# KiCad board Keyboard.kicad_pcb
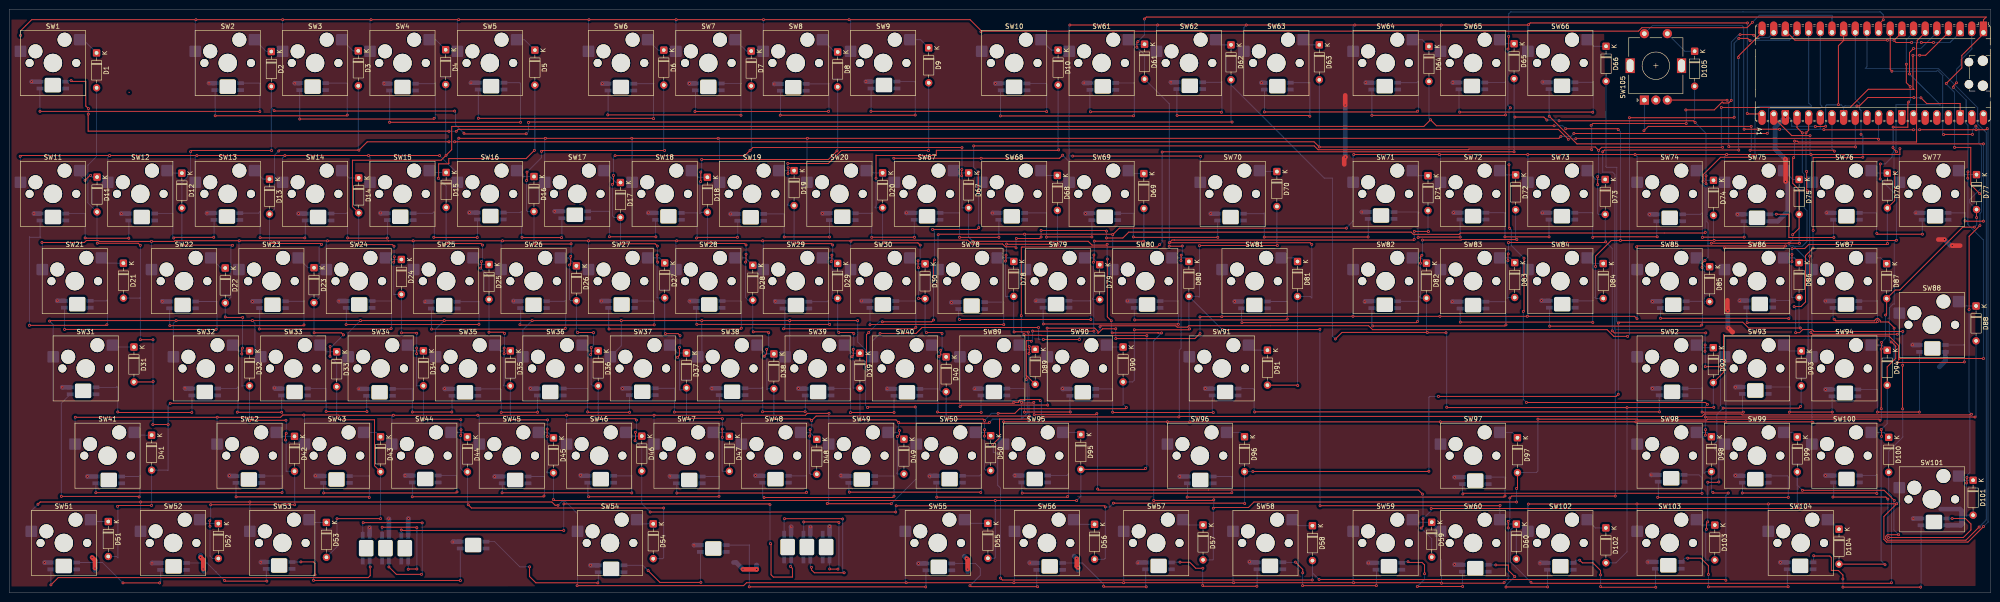
[diagram p0: board, top side]
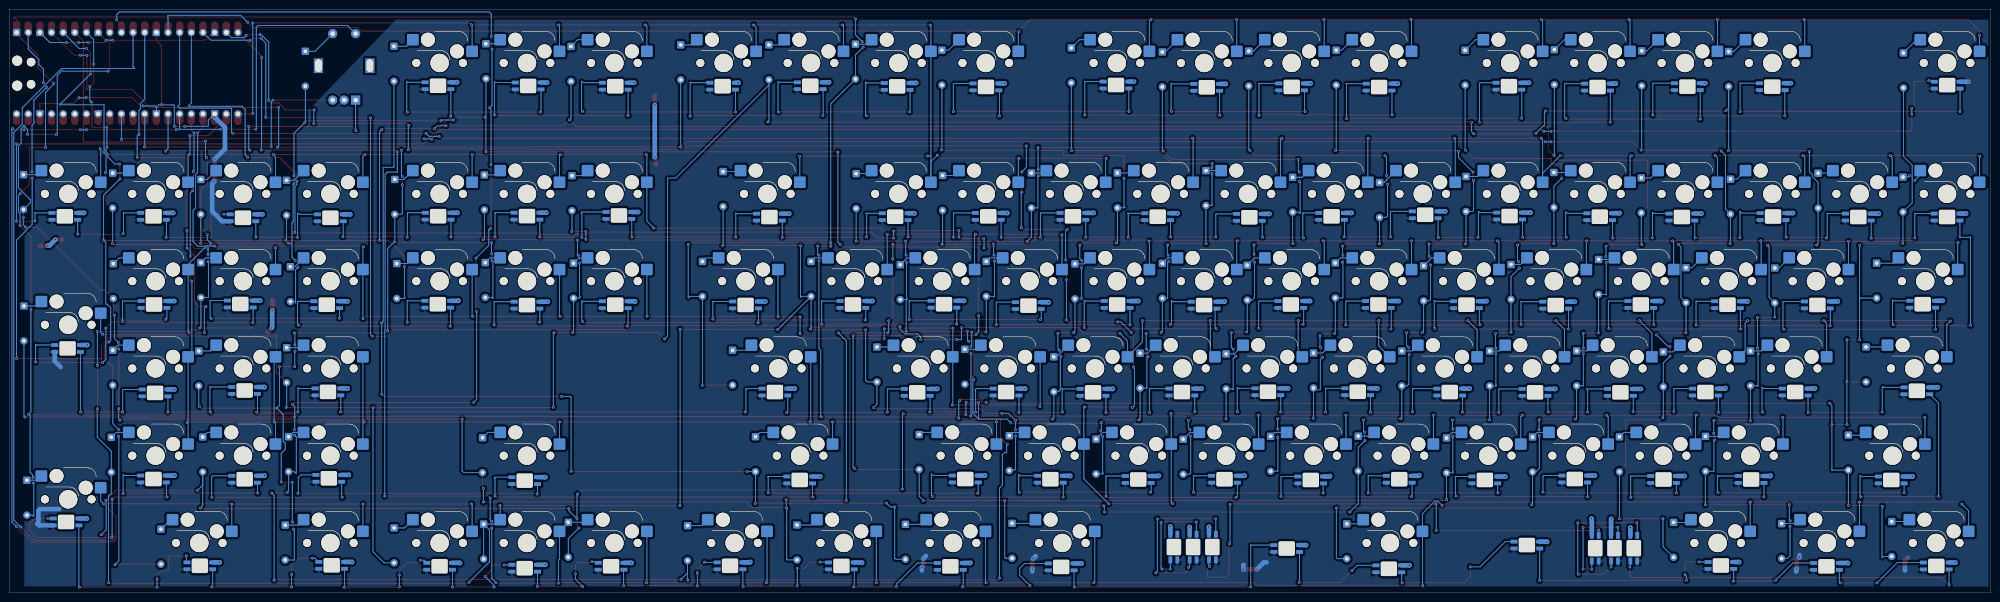
[diagram p1: board, bottom side, seen from below]

Outline 431.98 x 127.41 mm; copper layers: Top, Bottom. Coordinates in mm from the lower left corner of the outline.
Outline path: rectangle 0,127.41 431.98,0

## Placement (name value [footprint] x y rotation side)
A1  RaspberryPi_Pico  [RaspberryPi_Pico_Common_Unspecified]  406.24 113.44 270 top
D1  1N4148  [D_DO-35_SOD27_P7.62mm_Horizontal]  19.05 117.86 270 top
D2  1N4148  [D_DO-35_SOD27_P7.62mm_Horizontal]  57.15 118.16 270 top
D3  1N4148  [D_DO-35_SOD27_P7.62mm_Horizontal]  76.1 118.31 270 top
D4  1N4148  [D_DO-35_SOD27_P7.62mm_Horizontal]  95.15 118.56 270 top
D5  1N4148  [D_DO-35_SOD27_P7.62mm_Horizontal]  114.6 118.46 270 top
D6  1N4148  [D_DO-35_SOD27_P7.62mm_Horizontal]  142.7 118.46 270 top
D7  1N4148  [D_DO-35_SOD27_P7.62mm_Horizontal]  161.75 118.27 270 top
D8  1N4148  [D_DO-35_SOD27_P7.62mm_Horizontal]  180.6 118.07 270 top
D9  1N4148  [D_DO-35_SOD27_P7.62mm_Horizontal]  200.45 118.96 270 top
D10  1N4148  [D_DO-35_SOD27_P7.62mm_Horizontal]  228.65 118.47 270 top
D11  1N4148  [D_DO-35_SOD27_P7.62mm_Horizontal]  19.15 90.76 270 top
D12  1N4148  [D_DO-35_SOD27_P7.62mm_Horizontal]  37.65 91.62 270 top
D13  1N4148  [D_DO-35_SOD27_P7.62mm_Horizontal]  56.75 90.31 270 top
D14  1N4148  [D_DO-35_SOD27_P7.62mm_Horizontal]  76.2 90.57 270 top
D15  1N4148  [D_DO-35_SOD27_P7.62mm_Horizontal]  95.25 91.76 270 top
D16  1N4148  [D_DO-35_SOD27_P7.62mm_Horizontal]  114.4 90.87 270 top
D17  1N4148  [D_DO-35_SOD27_P7.62mm_Horizontal]  133.25 89.57 270 top
D18  1N4148  [D_DO-35_SOD27_P7.62mm_Horizontal]  152.2 90.71 270 top
D19  1N4148  [D_DO-35_SOD27_P7.62mm_Horizontal]  171.1 92.17 270 top
D20  1N4148  [D_DO-35_SOD27_P7.62mm_Horizontal]  190.4 91.67 270 top
D21  1N4148  [D_DO-35_SOD27_P7.62mm_Horizontal]  24.9 71.96 270 top
D22  1N4148  [D_DO-35_SOD27_P7.62mm_Horizontal]  47.1 70.91 270 top
D23  1N4148  [D_DO-35_SOD27_P7.62mm_Horizontal]  66.45 70.97 270 top
D24  1N4148  [D_DO-35_SOD27_P7.62mm_Horizontal]  85.5 72.77 270 top
D25  1N4148  [D_DO-35_SOD27_P7.62mm_Horizontal]  104.6 71.67 270 top
D26  1N4148  [D_DO-35_SOD27_P7.62mm_Horizontal]  123.65 71.37 270 top
D27  1N4148  [D_DO-35_SOD27_P7.62mm_Horizontal]  142.9 72.01 270 top
D28  1N4148  [D_DO-35_SOD27_P7.62mm_Horizontal]  162.1 71.51 270 top
D29  1N4148  [D_DO-35_SOD27_P7.62mm_Horizontal]  180.6 71.91 270 top
D30  1N4148  [D_DO-35_SOD27_P7.62mm_Horizontal]  199.65 71.81 270 top
D31  1N4148  [D_DO-35_SOD27_P7.62mm_Horizontal]  27.2 53.66 270 top
D32  1N4148  [D_DO-35_SOD27_P7.62mm_Horizontal]  52.4 52.81 270 top
D33  1N4148  [D_DO-35_SOD27_P7.62mm_Horizontal]  71.4 52.61 270 top
D34  1N4148  [D_DO-35_SOD27_P7.62mm_Horizontal]  90.3 52.82 270 top
D35  1N4148  [D_DO-35_SOD27_P7.62mm_Horizontal]  109.25 52.8 270 top
D36  1N4148  [D_DO-35_SOD27_P7.62mm_Horizontal]  128.4 52.8 270 top
D37  1N4148  [D_DO-35_SOD27_P7.62mm_Horizontal]  147.65 52.36 270 top
D38  1N4148  [D_DO-35_SOD27_P7.62mm_Horizontal]  166.7 52.16 270 top
D39  1N4148  [D_DO-35_SOD27_P7.62mm_Horizontal]  185.45 52.31 270 top
D40  1N4148  [D_DO-35_SOD27_P7.62mm_Horizontal]  204.25 51.51 270 top
D41  1N4148  [D_DO-35_SOD27_P7.62mm_Horizontal]  31.05 34.41 270 top
D42  1N4148  [D_DO-35_SOD27_P7.62mm_Horizontal]  62.2 34.16 270 top
D43  1N4148  [D_DO-35_SOD27_P7.62mm_Horizontal]  80.95 34.06 270 top
D44  1N4148  [D_DO-35_SOD27_P7.62mm_Horizontal]  99.9 34.02 270 top
D45  1N4148  [D_DO-35_SOD27_P7.62mm_Horizontal]  118.65 33.82 270 top
D46  1N4148  [D_DO-35_SOD27_P7.62mm_Horizontal]  137.9 34.21 270 top
D47  1N4148  [D_DO-35_SOD27_P7.62mm_Horizontal]  157 34.17 270 top
D48  1N4148  [D_DO-35_SOD27_P7.62mm_Horizontal]  176.05 33.51 270 top
D49  1N4148  [D_DO-35_SOD27_P7.62mm_Horizontal]  195.05 33.57 270 top
D50  1N4148  [D_DO-35_SOD27_P7.62mm_Horizontal]  213.95 34.31 270 top
D51  1N4148  [D_DO-35_SOD27_P7.62mm_Horizontal]  21.6 15.56 270 top
D52  1N4148  [D_DO-35_SOD27_P7.62mm_Horizontal]  45.6 15.12 270 top
D53  1N4148  [D_DO-35_SOD27_P7.62mm_Horizontal]  69.15 15.37 270 top
D54  1N4148  [D_DO-35_SOD27_P7.62mm_Horizontal]  140.4 15.07 270 top
D55  1N4148  [D_DO-35_SOD27_P7.62mm_Horizontal]  213.35 15.17 270 top
D56  1N4148  [D_DO-35_SOD27_P7.62mm_Horizontal]  236.6 14.95 270 top
D57  1N4148  [D_DO-35_SOD27_P7.62mm_Horizontal]  260.25 14.81 270 top
D58  1N4148  [D_DO-35_SOD27_P7.62mm_Horizontal]  284.1 14.66 270 top
D59  1N4148  [D_DO-35_SOD27_P7.62mm_Horizontal]  310.1 15.41 270 top
D60  1N4148  [D_DO-35_SOD27_P7.62mm_Horizontal]  328.55 15.01 270 top
D61  1N4148  [D_DO-35_SOD27_P7.62mm_Horizontal]  247.5 119.76 270 top
D62  1N4148  [D_DO-35_SOD27_P7.62mm_Horizontal]  266.35 119.62 270 top
D63  1N4148  [D_DO-35_SOD27_P7.62mm_Horizontal]  285.6 119.62 270 top
D64  1N4148  [D_DO-35_SOD27_P7.62mm_Horizontal]  309.5 119.27 270 top
D65  1N4148  [D_DO-35_SOD27_P7.62mm_Horizontal]  328.05 119.86 270 top
D66  1N4148  [D_DO-35_SOD27_P7.62mm_Horizontal]  348.1 119.31 270 top
D67  1N4148  [D_DO-35_SOD27_P7.62mm_Horizontal]  209.15 91.66 270 top
D68  1N4148  [D_DO-35_SOD27_P7.62mm_Horizontal]  228.5 91.11 270 top
D69  1N4148  [D_DO-35_SOD27_P7.62mm_Horizontal]  247.35 91.52 270 top
D70  1N4148  [D_DO-35_SOD27_P7.62mm_Horizontal]  276.35 91.96 270 top
D71  1N4148  [D_DO-35_SOD27_P7.62mm_Horizontal]  309.29 91.06 270 top
D72  1N4148  [D_DO-35_SOD27_P7.62mm_Horizontal]  328.39 91.23 270 top
D73  1N4148  [D_DO-35_SOD27_P7.62mm_Horizontal]  347.92 90.24 270 top
D74  1N4148  [D_DO-35_SOD27_P7.62mm_Horizontal]  371.52 90.04 270 top
D75  1N4148  [D_DO-35_SOD27_P7.62mm_Horizontal]  390.19 90.24 270 top
D76  1N4148  [D_DO-35_SOD27_P7.62mm_Horizontal]  409.42 91.63 270 top
D77  1N4148  [D_DO-35_SOD27_P7.62mm_Horizontal]  428.86 91.29 270 top
D78  1N4148  [D_DO-35_SOD27_P7.62mm_Horizontal]  218.99 72.34 270 top
D79  1N4148  [D_DO-35_SOD27_P7.62mm_Horizontal]  237.73 71.64 270 top
D80  1N4148  [D_DO-35_SOD27_P7.62mm_Horizontal]  257.17 72.34 270 top
D81  1N4148  [D_DO-35_SOD27_P7.62mm_Horizontal]  280.85 72.33 270 top
D82  1N4148  [D_DO-35_SOD27_P7.62mm_Horizontal]  308.96 71.95 270 top
D83  1N4148  [D_DO-35_SOD27_P7.62mm_Horizontal]  328.19 72.09 270 top
D84  1N4148  [D_DO-35_SOD27_P7.62mm_Horizontal]  347.49 71.88 270 top
D85  1N4148  [D_DO-35_SOD27_P7.62mm_Horizontal]  370.68 71.19 270 top
D86  1N4148  [D_DO-35_SOD27_P7.62mm_Horizontal]  390.18 72.09 270 top
D87  1N4148  [D_DO-35_SOD27_P7.62mm_Horizontal]  409.27 71.85 270 top
D88  1N4148  [D_DO-35_SOD27_P7.62mm_Horizontal]  428.76 62.62 270 top
D89  1N4148  [D_DO-35_SOD27_P7.62mm_Horizontal]  223.66 53.15 270 top
D90  1N4148  [D_DO-35_SOD27_P7.62mm_Horizontal]  242.82 53.66 270 top
D91  1N4148  [D_DO-35_SOD27_P7.62mm_Horizontal]  274.29 52.96 270 top
D92  1N4148  [D_DO-35_SOD27_P7.62mm_Horizontal]  371.48 53.52 270 top
D93  1N4148  [D_DO-35_SOD27_P7.62mm_Horizontal]  390.64 52.8 270 top
D94  1N4148  [D_DO-35_SOD27_P7.62mm_Horizontal]  409.39 52.95 270 top
D95  1N4148  [D_DO-35_SOD27_P7.62mm_Horizontal]  233.61 34.56 270 top
D96  1N4148  [D_DO-35_SOD27_P7.62mm_Horizontal]  269.29 34.08 270 top
D97  1N4148  [D_DO-35_SOD27_P7.62mm_Horizontal]  328.79 33.86 270 top
D98  1N4148  [D_DO-35_SOD27_P7.62mm_Horizontal]  371.07 34.07 270 top
D99  1N4148  [D_DO-35_SOD27_P7.62mm_Horizontal]  389.79 34.02 270 top
D100  1N4148  [D_DO-35_SOD27_P7.62mm_Horizontal]  409.72 33.95 270 top
D101  1N4148  [D_DO-35_SOD27_P7.62mm_Horizontal]  428.11 24.58 270 top
D102  1N4148  [D_DO-35_SOD27_P7.62mm_Horizontal]  348.07 14.17 270 top
D103  1N4148  [D_DO-35_SOD27_P7.62mm_Horizontal]  371.81 14.79 270 top
D104  1N4148  [D_DO-35_SOD27_P7.62mm_Horizontal]  398.89 13.89 270 top
D105  1N4148  [D_DO-35_SOD27_P7.62mm_Horizontal]  367.41 118.22 270 top
L1  WS2812B  [BAcklight]  9.51 110.83 180 bottom
L2  WS2812B  [BAcklight]  47.64 110.5 180 bottom
L3  WS2812B  [BAcklight]  66.14 110.5 180 bottom
L4  WS2812B  [BAcklight]  85.74 110.4 180 bottom
L5  WS2812B  [BAcklight]  105.05 110.6 180 bottom
L6  WS2812B  [BAcklight]  133.35 110.4 180 bottom
L7  WS2812B  [BAcklight]  152.41 110.45 180 bottom
L8  WS2812B  [BAcklight]  170.92 110.35 180 bottom
L9  WS2812B  [BAcklight]  190.7 110.85 180 bottom
L10  WS2812B  [BAcklight]  219.05 110.45 180 bottom
L11  WS2812B  [BAcklight]  238.4 110.55 180 bottom
L12  WS2812B  [BAcklight]  257.35 110.7 180 bottom
L13  WS2812B  [BAcklight]  276.45 110.6 180 bottom
L14  WS2812B  [BAcklight]  299.85 110.6 180 bottom
L15  WS2812B  [BAcklight]  318.85 110.65 180 bottom
L16  WS2812B  [BAcklight]  338.5 110.7 180 bottom
L17  WS2812B  [BAcklight]  419.84 82.19 180 bottom
L18  WS2812B  [BAcklight]  400.51 82.19 180 bottom
L19  WS2812B  [BAcklight]  381.01 81.87 180 bottom
L20  WS2812B  [BAcklight]  361.96 81.87 180 bottom
L21  WS2812B  [BAcklight]  338.47 82.22 180 bottom
L22  WS2812B  [BAcklight]  319.1 82.23 180 bottom
L23  WS2812B  [BAcklight]  299.06 82.38 180 bottom
L24  WS2812B  [BAcklight]  266.25 82.02 180 bottom
L25  WS2812B  [BAcklight]  238.83 82.11 180 bottom
L26  WS2812B  [BAcklight]  218.54 82.18 180 bottom
L27  WS2812B  [BAcklight]  200.09 82.18 180 bottom
L28  WS2812B  [BAcklight]  181.62 82.11 180 bottom
L29  WS2812B  [BAcklight]  161.63 81.97 180 bottom
L30  WS2812B  [BAcklight]  143.71 82.18 180 bottom
L31  WS2812B  [BAcklight]  123.3 82.53 180 bottom
L32  WS2812B  [BAcklight]  104.9 82.25 180 bottom
L33  WS2812B  [BAcklight]  85.25 82.11 180 bottom
L34  WS2812B  [BAcklight]  67.34 82.04 180 bottom
L35  WS2812B  [BAcklight]  47.47 82.14 180 bottom
L36  WS2812B  [BAcklight]  28.88 82.04 180 bottom
L37  WS2812B  [BAcklight]  9.54 82.04 180 bottom
L38  WS2812B  [BAcklight]  14.85 63 180 bottom
L39  WS2812B  [BAcklight]  37.8 62.85 180 bottom
L40  WS2812B  [BAcklight]  57.4 62.9 180 bottom
L41  WS2812B  [BAcklight]  76.3 62.95 180 bottom
L42  WS2812B  [BAcklight]  94.85 62.8 180 bottom
L43  WS2812B  [BAcklight]  114.3 62.9 180 bottom
L44  WS2812B  [BAcklight]  133.5 62.95 180 bottom
L45  WS2812B  [BAcklight]  152.6 62.95 180 bottom
L46  WS2812B  [BAcklight]  171.5 62.8 180 bottom
L47  WS2812B  [BAcklight]  190.45 62.95 180 bottom
L48  WS2812B  [BAcklight]  209.8 62.7 180 bottom
L49  WS2812B  [BAcklight]  228.2 63 180 bottom
L50  WS2812B  [BAcklight]  248.05 62.95 180 bottom
L51  WS2812B  [BAcklight]  271.45 62.85 180 bottom
L52  WS2812B  [BAcklight]  299.85 62.9 180 bottom
L53  WS2812B  [BAcklight]  319.1 62.8 180 bottom
L54  WS2812B  [BAcklight]  338.55 63 180 bottom
L55  WS2812B  [BAcklight]  362.75 62.9 180 bottom
L56  WS2812B  [BAcklight]  381.6 63.05 180 bottom
L57  WS2812B  [BAcklight]  400.4 62.95 180 bottom
L58  WS2812B  [BAcklight]  419.25 53.35 180 bottom
L59  WS2812B  [BAcklight]  400.17 43.65 180 bottom
L60  WS2812B  [BAcklight]  380.65 44.18 180 bottom
L61  WS2812B  [BAcklight]  362.49 43.87 180 bottom
L62  WS2812B  [BAcklight]  265.06 43.83 180 bottom
L63  WS2812B  [BAcklight]  234.03 43.76 180 bottom
L64  WS2812B  [BAcklight]  214.66 43.83 180 bottom
L65  WS2812B  [BAcklight]  195.7 43.76 180 bottom
L66  WS2812B  [BAcklight]  176.34 43.83 180 bottom
L67  WS2812B  [BAcklight]  157.59 43.9 180 bottom
L68  WS2812B  [BAcklight]  138.01 43.9 180 bottom
L69  WS2812B  [BAcklight]  117.95 43.83 180 bottom
L70  WS2812B  [BAcklight]  99.35 43.76 180 bottom
L71  WS2812B  [BAcklight]  80.74 43.76 180 bottom
L72  WS2812B  [BAcklight]  62.21 43.83 180 bottom
L73  WS2812B  [BAcklight]  42.64 43.84 180 bottom
L74  WS2812B  [BAcklight]  16.12 44.1 180 bottom
L75  WS2812B  [BAcklight]  21.7 24.65 180 bottom
L76  WS2812B  [BAcklight]  52.25 24.75 180 bottom
L77  WS2812B  [BAcklight]  71.35 24.75 180 bottom
L78  WS2812B  [BAcklight]  90.7 24.85 180 bottom
L79  WS2812B  [BAcklight]  110.3 24.65 180 bottom
L80  WS2812B  [BAcklight]  128.95 24.8 180 bottom
L81  WS2812B  [BAcklight]  148.25 24.65 180 bottom
L82  WS2812B  [BAcklight]  167.05 24.8 180 bottom
L83  WS2812B  [BAcklight]  185.85 24.75 180 bottom
L84  WS2812B  [BAcklight]  205 24.8 180 bottom
L85  WS2812B  [BAcklight]  223.55 24.85 180 bottom
L86  WS2812B  [BAcklight]  259.65 24.65 180 bottom
L87  WS2812B  [BAcklight]  319.6 24.5 180 bottom
L88  WS2812B  [BAcklight]  362.3 25 180 bottom
L89  WS2812B  [BAcklight]  380.65 24.8 180 bottom
L90  WS2812B  [BAcklight]  400.52 24.85 180 bottom
L91  WS2812B  [BAcklight]  419.58 15.48 180 bottom
L92  WS2812B  [BAcklight]  390.42 5.9 180 bottom
L93  WS2812B  [BAcklight]  361.68 6 180 bottom
L94  WS2812B  [BAcklight]  338.15 5.8 180 bottom
L95  WS2812B  [BAcklight]  319.61 5.38 180 bottom
L96  WS2812B  [BAcklight]  300.77 5.8 180 bottom
L97  WS2812B  [BAcklight]  274.84 5.9 180 bottom
L98  WS2812B  [BAcklight]  250.56 5.88 180 bottom
L99  WS2812B  [BAcklight]  226.81 5.77 180 bottom
L100  WS2812B  [BAcklight]  202.65 5.67 180 bottom
L101  WS2812B  [BAcklight]  153.49 9.68 180 bottom
L102  WS2812B  [BAcklight]  131.22 5.25 180 bottom
L103  WS2812B  [BAcklight]  101.14 10.43 180 bottom
L104  WS2812B  [BAcklight]  58.85 5.98 180 bottom
L105  WS2812B  [BAcklight]  35.83 5.77 180 bottom
L106  WS2812B  [BAcklight]  11.88 5.87 180 bottom
L107  WS2812B  [BAcklight]  77.83 9.74 90 bottom
L108  WS2812B  [BAcklight]  82.03 9.74 90 bottom
L109  WS2812B  [BAcklight]  86.23 9.74 90 bottom
L110  WS2812B  [BAcklight]  169.69 9.99 90 bottom
L111  WS2812B  [BAcklight]  173.89 9.99 90 bottom
L112  WS2812B  [BAcklight]  178.09 9.99 90 bottom
SW1  SW_Push_45deg  [SW_Hotswap_Kailh_MX_1.00u]  9.54 115.66 0 top
SW2  SW_Push_45deg  [SW_Hotswap_Kailh_MX_1.00u]  47.64 115.66 0 top
SW3  SW_Push_45deg  [SW_Hotswap_Kailh_MX_1.00u]  66.69 115.66 0 top
SW4  SW_Push_45deg  [SW_Hotswap_Kailh_MX_1.00u]  85.74 115.66 0 top
SW5  SW_Push_45deg  [SW_Hotswap_Kailh_MX_1.00u]  104.79 115.66 0 top
SW6  SW_Push_45deg  [SW_Hotswap_Kailh_MX_1.00u]  133.36 115.66 0 top
SW7  SW_Push_45deg  [SW_Hotswap_Kailh_MX_1.00u]  152.41 115.66 0 top
SW8  SW_Push_45deg  [SW_Hotswap_Kailh_MX_1.00u]  171.46 115.66 0 top
SW9  SW_Push_45deg  [SW_Hotswap_Kailh_MX_1.00u]  190.51 115.66 0 top
SW10  SW_Push_45deg  [SW_Hotswap_Kailh_MX_1.00u]  219.09 115.66 0 top
SW11  SW_Push_45deg  [SW_Hotswap_Kailh_MX_1.00u]  9.54 87.09 0 top
SW12  SW_Push_45deg  [SW_Hotswap_Kailh_MX_1.00u]  28.59 87.09 0 top
SW13  SW_Push_45deg  [SW_Hotswap_Kailh_MX_1.00u]  47.64 87.09 0 top
SW14  SW_Push_45deg  [SW_Hotswap_Kailh_MX_1.00u]  66.69 87.09 0 top
SW15  SW_Push_45deg  [SW_Hotswap_Kailh_MX_1.00u]  85.74 87.09 0 top
SW16  SW_Push_45deg  [SW_Hotswap_Kailh_MX_1.00u]  104.79 87.09 0 top
SW17  SW_Push_45deg  [SW_Hotswap_Kailh_MX_1.00u]  123.84 87.09 0 top
SW18  SW_Push_45deg  [SW_Hotswap_Kailh_MX_1.00u]  142.89 87.09 0 top
SW19  SW_Push_45deg  [SW_Hotswap_Kailh_MX_1.00u]  161.94 87.09 0 top
SW20  SW_Push_45deg  [SW_Hotswap_Kailh_MX_1.00u]  180.99 87.09 0 top
SW21  SW_Push_45deg  [SW_Hotswap_Kailh_MX_1.50u]  14.3 68.04 0 top
SW22  SW_Push_45deg  [SW_Hotswap_Kailh_MX_1.00u]  38.11 68.04 0 top
SW23  SW_Push_45deg  [SW_Hotswap_Kailh_MX_1.00u]  57.16 68.04 0 top
SW24  SW_Push_45deg  [SW_Hotswap_Kailh_MX_1.00u]  76.21 68.04 0 top
SW25  SW_Push_45deg  [SW_Hotswap_Kailh_MX_1.00u]  95.26 68.04 0 top
SW26  SW_Push_45deg  [SW_Hotswap_Kailh_MX_1.00u]  114.31 68.04 0 top
SW27  SW_Push_45deg  [SW_Hotswap_Kailh_MX_1.00u]  133.36 68.04 0 top
SW28  SW_Push_45deg  [SW_Hotswap_Kailh_MX_1.00u]  152.41 68.04 0 top
SW29  SW_Push_45deg  [SW_Hotswap_Kailh_MX_1.00u]  171.46 68.04 0 top
SW30  SW_Push_45deg  [SW_Hotswap_Kailh_MX_1.00u]  190.51 68.04 0 top
SW31  SW_Push_45deg  [SW_Hotswap_Kailh_MX_1.75u]  16.68 48.99 0 top
SW32  SW_Push_45deg  [SW_Hotswap_Kailh_MX_1.00u]  42.88 48.99 0 top
SW33  SW_Push_45deg  [SW_Hotswap_Kailh_MX_1.00u]  61.92 48.99 0 top
SW34  SW_Push_45deg  [SW_Hotswap_Kailh_MX_1.00u]  80.98 48.99 0 top
SW35  SW_Push_45deg  [SW_Hotswap_Kailh_MX_1.00u]  100.03 48.99 0 top
SW36  SW_Push_45deg  [SW_Hotswap_Kailh_MX_1.00u]  119.08 48.99 0 top
SW37  SW_Push_45deg  [SW_Hotswap_Kailh_MX_1.00u]  138.12 48.99 0 top
SW38  SW_Push_45deg  [SW_Hotswap_Kailh_MX_1.00u]  157.17 48.99 0 top
SW39  SW_Push_45deg  [SW_Hotswap_Kailh_MX_1.00u]  176.22 48.99 0 top
SW40  SW_Push_45deg  [SW_Hotswap_Kailh_MX_1.00u]  195.27 48.99 0 top
SW41  SW_Push_45deg  [SW_Hotswap_Kailh_MX_2.25u]  21.44 29.94 0 top
SW42  SW_Push_45deg  [SW_Hotswap_Kailh_MX_1.00u]  52.4 29.94 0 top
SW43  SW_Push_45deg  [SW_Hotswap_Kailh_MX_1.00u]  71.45 29.94 0 top
SW44  SW_Push_45deg  [SW_Hotswap_Kailh_MX_1.00u]  90.5 29.94 0 top
SW45  SW_Push_45deg  [SW_Hotswap_Kailh_MX_1.00u]  109.55 29.94 0 top
SW46  SW_Push_45deg  [SW_Hotswap_Kailh_MX_1.00u]  128.6 29.94 0 top
SW47  SW_Push_45deg  [SW_Hotswap_Kailh_MX_1.00u]  147.65 29.94 0 top
SW48  SW_Push_45deg  [SW_Hotswap_Kailh_MX_1.00u]  166.7 29.94 0 top
SW49  SW_Push_45deg  [SW_Hotswap_Kailh_MX_1.00u]  185.75 29.94 0 top
SW50  SW_Push_45deg  [SW_Hotswap_Kailh_MX_1.00u]  204.8 29.94 0 top
SW51  SW_Push_45deg  [SW_Hotswap_Kailh_MX_1.25u]  11.92 10.89 0 top
SW52  SW_Push_45deg  [SW_Hotswap_Kailh_MX_1.25u]  35.73 10.89 0 top
SW53  SW_Push_45deg  [SW_Hotswap_Kailh_MX_1.25u]  59.54 10.89 0 top
SW54  SW_Push_45deg  [SW_Hotswap_Kailh_MX_6.25u]  130.98 10.89 0 top
SW55  SW_Push_45deg  [SW_Hotswap_Kailh_MX_1.25u]  202.42 10.89 0 top
SW56  SW_Push_45deg  [SW_Hotswap_Kailh_MX_1.25u]  226.23 10.89 0 top
SW57  SW_Push_45deg  [SW_Hotswap_Kailh_MX_1.25u]  250.04 10.89 0 top
SW58  SW_Push_45deg  [SW_Hotswap_Kailh_MX_1.25u]  273.86 10.89 0 top
SW59  SW_Push_45deg  [SW_Hotswap_Kailh_MX_1.00u]  300.05 10.89 0 top
SW60  SW_Push_45deg  [SW_Hotswap_Kailh_MX_1.00u]  319.1 10.89 0 top
SW61  SW_Push_45deg  [SW_Hotswap_Kailh_MX_1.00u]  238.14 115.66 0 top
SW62  SW_Push_45deg  [SW_Hotswap_Kailh_MX_1.00u]  257.19 115.66 0 top
SW63  SW_Push_45deg  [SW_Hotswap_Kailh_MX_1.00u]  276.24 115.66 0 top
SW64  SW_Push_45deg  [SW_Hotswap_Kailh_MX_1.00u]  300.05 115.66 0 top
SW65  SW_Push_45deg  [SW_Hotswap_Kailh_MX_1.00u]  319.1 115.66 0 top
SW66  SW_Push_45deg  [SW_Hotswap_Kailh_MX_1.00u]  338.15 115.66 0 top
SW67  SW_Push_45deg  [SW_Hotswap_Kailh_MX_1.00u]  200.04 87.09 0 top
SW68  SW_Push_45deg  [SW_Hotswap_Kailh_MX_1.00u]  219.09 87.09 0 top
SW69  SW_Push_45deg  [SW_Hotswap_Kailh_MX_1.00u]  238.14 87.09 0 top
SW70  SW_Push_45deg  [SW_Hotswap_Kailh_MX_2.00u]  266.71 87.09 0 top
SW71  SW_Push_45deg  [SW_Hotswap_Kailh_MX_1.00u]  300.05 87.09 0 top
SW72  SW_Push_45deg  [SW_Hotswap_Kailh_MX_1.00u]  319.1 87.09 0 top
SW73  SW_Push_45deg  [SW_Hotswap_Kailh_MX_1.00u]  338.15 87.09 0 top
SW74  SW_Push_45deg  [SW_Hotswap_Kailh_MX_1.00u]  361.96 87.09 0 top
SW75  SW_Push_45deg  [SW_Hotswap_Kailh_MX_1.00u]  381.01 87.09 0 top
SW76  SW_Push_45deg  [SW_Hotswap_Kailh_MX_1.00u]  400.06 87.09 0 top
SW77  SW_Push_45deg  [SW_Hotswap_Kailh_MX_1.00u]  419.11 87.09 0 top
SW78  SW_Push_45deg  [SW_Hotswap_Kailh_MX_1.00u]  209.56 68.04 0 top
SW79  SW_Push_45deg  [SW_Hotswap_Kailh_MX_1.00u]  228.61 68.04 0 top
SW80  SW_Push_45deg  [SW_Hotswap_Kailh_MX_1.00u]  247.66 68.04 0 top
SW81  SW_Push_45deg  [SW_Hotswap_Kailh_MX_1.50u]  271.47 68.04 0 top
SW82  SW_Push_45deg  [SW_Hotswap_Kailh_MX_1.00u]  300.05 68.04 0 top
SW83  SW_Push_45deg  [SW_Hotswap_Kailh_MX_1.00u]  319.1 68.04 0 top
SW84  SW_Push_45deg  [SW_Hotswap_Kailh_MX_1.00u]  338.15 68.04 0 top
SW85  SW_Push_45deg  [SW_Hotswap_Kailh_MX_1.00u]  361.96 68.04 0 top
SW86  SW_Push_45deg  [SW_Hotswap_Kailh_MX_1.00u]  381.01 68.04 0 top
SW87  SW_Push_45deg  [SW_Hotswap_Kailh_MX_1.00u]  400.06 68.04 0 top
SW88  SW_Push_45deg  [SW_Hotswap_Kailh_MX_2.00u_90deg]  419.11 58.51 0 top
SW89  SW_Push_45deg  [SW_Hotswap_Kailh_MX_1.00u]  214.32 48.99 0 top
SW90  SW_Push_45deg  [SW_Hotswap_Kailh_MX_1.00u]  233.38 48.99 0 top
SW91  SW_Push_45deg  [SW_Hotswap_Kailh_MX_2.25u]  264.33 48.99 0 top
SW92  SW_Push_45deg  [SW_Hotswap_Kailh_MX_1.00u]  361.96 48.99 0 top
SW93  SW_Push_45deg  [SW_Hotswap_Kailh_MX_1.00u]  381.01 48.99 0 top
SW94  SW_Push_45deg  [SW_Hotswap_Kailh_MX_1.00u]  400.06 48.99 0 top
SW95  SW_Push_45deg  [SW_Hotswap_Kailh_MX_1.00u]  223.85 29.94 0 top
SW96  SW_Push_45deg  [SW_Hotswap_Kailh_MX_2.75u]  259.57 29.94 0 top
SW97  SW_Push_45deg  [SW_Hotswap_Kailh_MX_1.00u]  319.1 29.94 0 top
SW98  SW_Push_45deg  [SW_Hotswap_Kailh_MX_1.00u]  361.96 29.94 0 top
SW99  SW_Push_45deg  [SW_Hotswap_Kailh_MX_1.00u]  381.01 29.94 0 top
SW100  SW_Push_45deg  [SW_Hotswap_Kailh_MX_1.00u]  400.06 29.94 0 top
SW101  SW_Push_45deg  [SW_Hotswap_Kailh_MX_2.00u_90deg]  419.11 20.41 0 top
SW102  SW_Push_45deg  [SW_Hotswap_Kailh_MX_1.00u]  338.15 10.89 0 top
SW103  SW_Push_45deg  [SW_Hotswap_Kailh_MX_1.00u]  361.96 10.89 0 top
SW104  SW_Push_45deg  [SW_Hotswap_Kailh_MX_2.00u]  390.54 10.89 0 top
SW105  RotaryEncoder_Switch  [RotaryEncoder_Alps_EC11E-Switch_Vertical_H20mm]  356.46 107.56 90 top

## Library data of the parts
A1 = -: Datasheet: https://datasheets.raspberrypi.com/pico/pico-datasheet.pdf; Description: Versatile and inexpensive microcontroller module powered by RP2040 dual-core Arm Cortex-M0+ processor up to 133 MHz, 264kB SRAM, 2MB QSPI flash; also supports Raspberry Pi Pico 2; ki_fp_filters: RaspberryPi?Pico?Common* RaspberryPi?Pico?SMD*
D1-D105 = -: Datasheet: https://assets.nexperia.com/documents/data-sheet/1N4148_1N4448.pdf; Description: 100V 0.15A standard switching diode, DO-35; Sim.Device: D; Sim.Pins: 1=K 2=A; ki_fp_filters: D*DO?35*
L1-L112 = -: Datasheet: https://cdn-shop.adafruit.com/datasheets/WS2812B.pdf; Description: RGB LED with integrated controller; ki_fp_filters: LED*WS2812*PLCC*5.0x5.0mm*P3.2mm*
SW1-SW104 = -: Description: Push button switch, normally open, two pins, 45° tilted
SW105 = -: Description: Rotary encoder, dual channel, incremental quadrate outputs, with switch; ki_fp_filters: RotaryEncoder*Switch*
